# Altium PCB tinyCamera.PcbDoc (part 1 of 2) (continued)
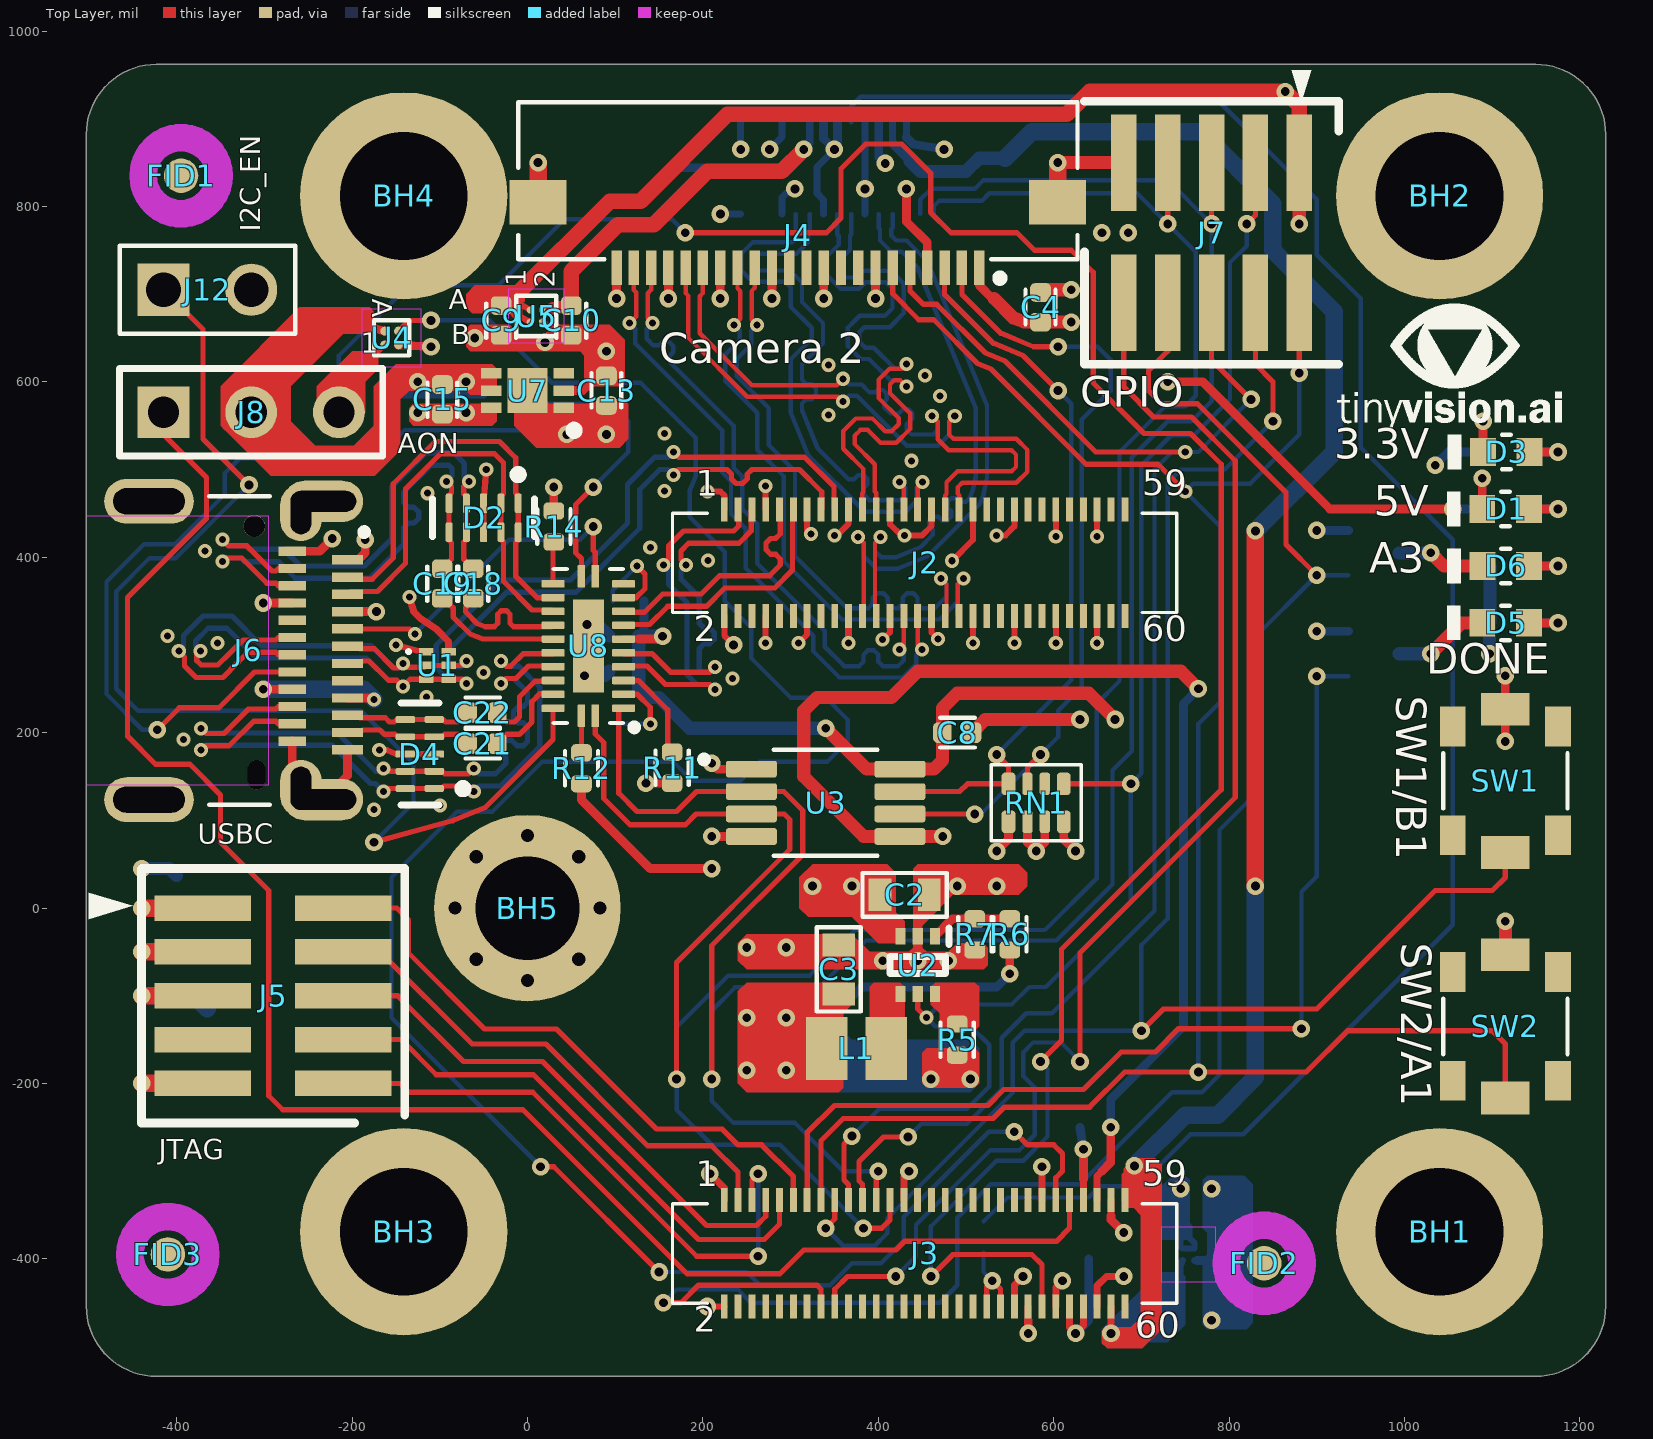
[diagram p0: Top Layer view]
## Components (designator, comment, footprint, x,y, rotation, side; value= is the part's Value field where it differs from the comment)
BH1 "STANDOFF M2.5" MH_Standoff_WE9774010151R 1040,-369 r0 top
BH2 "STANDOFF M2.5" MH_Standoff_WE9774010151R 1040,812.02 r0 top
BH3 "STANDOFF M2.5" MH_Standoff_WE9774010151R -141.11,-369 r0 top
BH4 "STANDOFF M2.5" MH_Standoff_WE9774010151R -141.11,812.02 r0 top
BH5 "STANDOFF M2.5" MH_3MM 0,0 r0 top
C1 "0.1uF" CAPC1005X55USR -400,20 r270 bottom
C2 "10uF" CAP_0603 430,15 r180 top
C3 "47uF" CAP_0603 355,-70 r270 top
C4 "0.1uF" CAPC1005X55USR 585,685 r270 top
C5 "4.7uF" CAPC1005X55USR 760,-350 r180 bottom
C6 "4.7uF" CAPC1005X55USR 760,-440 r180 bottom
C7 "4.7uF" CAPC1005X55USR 110,270 r0 bottom
C8 "0.1uF" CAPC1005X55USR 490,200 r180 top
C9 "4.7uF" CAPC1005X55USR -30,670 r90 top
C10 "4.7uF" CAPC1005X55USR 50,670 r90 top
C13 "1uF" CAPC1005X55USR 90,590 r270 top
C15 "1uF" CAPC1005X55USR -97,580 r90 top
C17 "0.1uF" CAPC1005X55USR 110,310 r0 bottom
C18 "0.1uF" CAPC1005X55USR -61.75,370 r90 top
C19 "0.1uF" CAPC1005X55USR -97.29,370 r90 top
C21 "0.1uF" CAPC1005X55USR -51.44,187.34 r180 top
C22 "0.1uF" CAPC1005X55USR -51.44,222.88 r180 top
D1 "LTST-C191KGKT" LED_0603 1115.22,455.01 r0 top
D2 "PUSB3F96X" DFN2510A-10 -50,445 r270 top
D3 "LTST-C191KGKT" LED_0603 1116.16,520.01 r0 top
D4 "PUSB3F96X" DFN2510A-10 -122.75,175.58 r180 top
D5 "LTST-C191KGKT" LED_0603 1115.22,325.17 r0 top
D6 "LTST-C191KGKT" LED_0603 1115.53,390.01 r0 top
FID1 "" FID_040 -395,835 r0 top
FID2 "" FID_040 840,-405 r90 top
FID3 "" FID_040 -410,-395 r90 top
FID4 "" FID_040 1080,-155 r90 bottom
FID5 "" FID_040 -395,835 r90 bottom
FID6 "" FID_040 -428,-389 r90 bottom
J1 "DF37NC-30DS-0.4V(51)" HRS_DF37NC-30DS-0.4V(51) 353.34,843.52 r0 bottom locked
J2 "DF40C-60DS-0.4V(51)" DF40C60DS04V51 452.76,393.7 r0 top locked
J3 "DF40C-60DS-0.4V(51)" DF40C60DS04V51 452.76,-393.7 r0 top locked
J4 "0545482271" MOLEX_54548-2271 308.31,730 r180 top locked
J5 "FTSH-105-01-L-DV-K-TR" FTSH-105-01-XXX-DV-K -290,-100 r270 top locked
J6 "CX90B1-24P" HRS_CX90B1-24P -431.59,293.7 r270 top locked
J7 "FTSH-105-01-L-DV-K-TR" FTSH-105-01-XXX-DV-K 780,770 r180 top locked
J8 "AON" HDR1X3 -415,565.32 r0 top locked
J12 "Header 2X1_2.54MM" HDR2X1_MALE_2.54MM -365,705 r0 top locked
L1 "1uH" INDC2016X100N 375,-160 r180 top
Logo1 "WEEE" WEEE_Minimum 810,225 r180 bottom
Logo2 "ESD Susceptible" ESD_Overlay_Medium 810,-80 r180 bottom
Q1 "RU1J002YNTCL" SOT-323FL 965,290 r0 bottom
Q2 "RU1J002YNTCL" SOT-323FL 965,405 r0 bottom
R1 "1K" RESC1005X40USR 1114.68,455 r0 bottom
R2 "1K" RESC1005X40USR 1115,390 r0 bottom
R3 "1K" RESC1005X40USR 1115.64,520 r0 bottom
R4 "22" RESC1005X40USR 519.99,-375 r90 bottom
R5 "0" RESC1005X40USR 490,-149.99 r90 top
R6 "200K" RESC1005X40USR 550,-30.01 r270 top
R7 "44.2K" RESC1005X40USR 510,-29.99 r90 top
R11 "10K" RESC1005X40USR 165.01,160 r90 top
R12 "910K" RESC1005X40USR 61.51,159.32 r270 top
R13 "10K" RESC1005X40USR 115,349.99 r180 bottom
R14 "10K" RESC1005X40USR 30.01,435.01 r90 top
R18 "1K" RESC1005X40USR 1114.7,325.16 r0 bottom
RN1 "10K" RESCAXS50P100X200X45-8NA 579.99,119.99 r270 top
SW1 "PTS820 J25K SMTR LFS" PTS820J25MSMTRLFS 1115,145 r90 top
SW2 "PTS820 J25K SMTR LFS" PTS820J25MSMTRLFS 1115,-135 r90 top
T1 "3V3" "TP 1mm" 330,-165 r0 bottom
T3 "TP_S" "TP 20mil" 455,490 r0 bottom
T4 "TP_S" "TP 20mil" 110,667.52 r90 bottom
T5 "TP_S" "TP 20mil" 420,490 r0 bottom
T6 "TP_S" "TP 20mil" 630,-250 r0 bottom
T7 "TP_S" "TP 20mil" 640,-400 r0 bottom
T8 "TP_S" "TP 20mil" 150,667.52 r0 bottom
T9 "TP_S" "TP 20mil" 436,591 r0 bottom
T10 "TP_S" "TP 20mil" 436,624 r90 bottom
T11 "TP_S" "TP 20mil" 363,574 r90 bottom
T12 "TP_S" "TP 20mil" 405,430 r90 bottom
T13 "TP_S" "TP 20mil" 363,607 r90 bottom
T14 "TP_S" "TP 20mil" 375,430 r90 bottom
T15 "TP_S" "TP 20mil" 230,667.52 r90 bottom
T16 "TP_S" "TP 20mil" 545,855 r90 bottom
T17 "TP_S" "TP 20mil" 270,667.52 r90 bottom
T18 "TP_S" "TP 20mil" 165,840 r90 bottom
T28 "TP_S" "TP 20mil" 750,475 r90 bottom
T30 "TP_S" "TP 20mil" 750,520 r90 bottom
T32 "TP_S" "TP 1mm" 610,590 r90 bottom
T34 "TP_S" "TP 1mm" 665,590 r90 bottom
T35 "TP_S" "TP 20mil" 110,210 r90 bottom
TP1 "5019" TP380X203 -365,-115 r90 bottom
U1 "ESDR0502NMUTAG" ONSC-UDFN-6-517AA-01_V -102.74,276.66 r0 top
U2 "AP61100QZ6-7" SOTFL50P160X60-6N 445,-65 r270 top
U3 "TCA9509DGKR" SOP65P490X110-8N 340,120 r0 top
U4 "TCK106AG,LF" WCSP4D -155.01,650.01 r90 top
U5 "NCP110AFCT280T2G" WLCSP4_P6XP6_ONS 10,675 r0 top
U6 "NCP110AFCT120T2G" WLCSP4_P6XP6_ONS 753.64,-395 r270 bottom
U7 "NCP349MNAETBG" SON50P200X160X100-7N-D 0,590 r180 top
U8 "PI5USB30213AXEAEX" QFN40P400X200X50-25N 69.38,298.82 r180 top

## Footprints (in the part's own frame and the unit in brackets; to place one, negate y for a bottom-side part, rotate by r counter-clockwise, add the part's x,y. Pads: shape width x height; smd on the part's side, far side on the other; paste and mask are expansions set on the pad)
CAP_0603 [mil]
  rect 26x37 smd mask+1.97: 1(-28,0) 2(28,0)
  silkscreen extent -48,-25 48,25, body extent -34,-19 34,19, height 35
CAPC1005X55USR [mm] "Capacitor, Chip; 1.00 mm L X 0.50 mm W X 0.55 mm H body"
  rrect52% 0.54x0.6 smd mask+0.051: 1(-0.43,0) 2(0.43,0)
  silkscreen extent -0.51,-0.43 0.49,0.43, body extent -0.5,-0.25 0.5,0.25, height 0.55
DF40C60DS04V51 [mm]
  rect 0.2x0.7 smd mask+0.051: 1(-5.8,1.54) 2(-5.8,-1.54) 3(-5.4,1.54) 4(-5.4,-1.54) 5(-5,1.54) 6(-5,-1.54) 7(-4.6,1.54) 8(-4.6,-1.54) 9(-4.2,1.54) 10(-4.2,-1.54) 11(-3.8,1.54) 12(-3.8,-1.54) 13(-3.4,1.54) 14(-3.4,-1.54) 15(-3,1.54) 16(-3,-1.54) 17(-2.6,1.54) 18(-2.6,-1.54) 19(-2.2,1.54) 20(-2.2,-1.54) 21(-1.8,1.54) 22(-1.8,-1.54) 23(-1.4,1.54) 24(-1.4,-1.54) 25(-1,1.54) 26(-1,-1.54) 27(-0.6,1.54) 28(-0.6,-1.54) 29(-0.2,1.54) 30(-0.2,-1.54) 31(0.2,1.54) 32(0.2,-1.54) 33(0.6,1.54) 34(0.6,-1.54) 35(1,1.54) 36(1,-1.54) 37(1.4,1.54) 38(1.4,-1.54) 39(1.8,1.54) 40(1.8,-1.54) 41(2.2,1.54) 42(2.2,-1.54) 43(2.6,1.54) 44(2.6,-1.54) 45(3,1.54) 46(3,-1.54) 47(3.4,1.54) 48(3.4,-1.54) 49(3.8,1.54) 50(3.8,-1.54) 51(4.2,1.54) 52(4.2,-1.54) 53(4.6,1.54) 54(4.6,-1.54) 55(5,1.54) 56(5,-1.54) 57(5.4,1.54) 58(5.4,-1.54) 59(5.8,1.54) 60(5.8,-1.54)
  silkscreen extent -7.3,-1.44 7.3,1.44, body extent -7.3,-1.69 7.3,1.69, height 1.96
DFN2510A-10 [mm]
  rrect50% 0.565x0.2 smd mask+0.05: 1(-0.417,1) 2(-0.417,0.5) 4(-0.417,-0.5) 5(-0.417,-1) 6(0.417,-1) 7(0.417,-0.5) 9(0.417,0.5) 10(0.417,1)
  rrect25% 0.565x0.2 smd mask+0.05: 3(-0.417,0) 8(0.417,0)
  silkscreen extent -1.37,-1.48 0.55,1.48, body extent -0.5,-1.25 0.5,1.25, height 0.55
ESD_Overlay_Medium [mil]
  silkscreen extent -127,-109 125,110
FID_040 [mm]
  round 1 smd paste-1.5 mask+1: 1(0,0)
  Top Layer keep-out circle w0.8: c0,0 r1.1
FTSH-105-01-XXX-DV-K [mil]
  rect 29x110 smd mask+2: 1(-100,-80) 2(-100,80) 3(-50,-80) 4(-50,80) 5(0,-80) 6(0,80) 7(50,-80) 8(50,80) 9(100,-80) 10(100,80)
  silkscreen extent -145,-210 145,150, body extent -125,-115 125,115, height 241
HDR1X3 [mm] "Connector; Header; 3 Position"
  rect 1.5x1.5 hole 0.9: 1(0,0)
  round 1.5 hole 0.9: 2(2.54,0) 3(5.08,0)
  silkscreen extent -1.27,-1.27 6.35,1.27
HDR2X1_MALE_2.54MM [mm]
  rect 1.508x1.508 hole 1: 1(-1.27,0)
  round 1.508 hole 1: 2(1.27,0)
  silkscreen extent -2.54,-1.27 2.54,1.27, body extent -2.54,-1.37 2.54,1.17, height 8.38
HRS_CX90B1-24P [mm]
  rect 0.27x0.9 smd mask+0.05: A1(-2.625,5.75) A2(-2.125,5.75) A3(-1.625,5.75) A4(-1.125,5.75) A5(-0.625,5.75) A6(-0.125,5.75) A7(0.375,5.75) A8(0.875,5.75) A9(1.375,5.75) A10(1.875,5.75) A11(2.375,5.75) A12(2.875,5.75)
  rect 0.27x0.8 smd mask+0.05: B1(2.625,4.15) B2(2.125,4.15) B3(1.625,4.15) B4(1.125,4.15) B5(0.625,4.15) B6(0.125,4.15) B7(-0.375,4.15) B8(-0.875,4.15) B9(-1.375,4.15) B10(-1.875,4.15) B11(-2.375,4.15) B12(-2.875,4.15)
  oval 1.2x2.3 hole 0.6 slot 1.9 at 90 deg mask+0: Shell(-4.32,5.05) Shell(4.32,5.05)
  oval 1.3x2.6 hole 0.75 slot 2.075 at 90 deg: Shell(-4.32,0) Shell(4.32,0)
  oval 1.65x1.2 hole 0.6 slot 1.25 at 0 deg mask+0: Shell(-3.995,4.4) Shell(3.995,4.4)
  round 0.63 hole 0.63 unplated: ""(-3.6,3.05)
  oval 0.85x0.5 hole 0.5 slot 0.85 at 0 deg unplated: ""(3.6,3.115)
  Top Layer keep-out region: 3.9,-1.8 -3.9,-1.8 -3.9,3.45 3.9,3.45
  silkscreen extent -4.47,1.75 4.47,6.33, body extent -4.47,-2.3 4.47,5.85, height 3.14
HRS_DF37NC-30DS-0.4V(51) [mm]
  rect 0.23x0.63 smd paste+0 mask+0.05: 1(2.8,-1.325) 2(2.4,-1.325) 3(2,-1.325) 4(1.6,-1.325) 5(1.2,-1.325) 6(0.8,-1.325) 7(0.4,-1.325) 8(0,-1.325) 9(-0.4,-1.325) 10(-0.8,-1.325) 11(-1.2,-1.325) 12(-1.6,-1.325) 13(-2,-1.325) 14(-2.4,-1.325) 15(-2.8,-1.325) 16(-2.8,1.325) 17(-2.4,1.325) 18(-2,1.325) 19(-1.6,1.325) 20(-1.2,1.325) 21(-0.8,1.325) 22(-0.4,1.325) 23(0,1.325) 24(0.4,1.325) 25(0.8,1.325) 26(1.2,1.325) 27(1.6,1.325) 28(2,1.325) 29(2.4,1.325) 30(2.8,1.325)
  silkscreen extent -4.11,-2.15 4.11,1.16, body extent -4.11,-1.49 4.11,1.49, height 0.97
INDC2016X100N [mm]
  rect 1.2x1.82 smd: 1(-0.86,0) 2(0.86,0)
  body extent -1,-0.8 1,0.8, height 1
LED_0603 [mm]
  rect 0.75x0.8 smd: 1(0.675,0) 2(-0.675,0)
  silkscreen extent -1.7,-0.5 0.13,0.5, body extent -0.81,-0.4 0.81,0.4, height 0.63
MH_3MM [mm]
  round 5.4 hole 3: 1(0,0)
MH_Standoff_WE9774010151R [mm]
  round 6 / inner round 0 / far side round 0 hole 3.7: 1(0,0)
  body extent -2.55,-2.55 2.55,2.55, height 1.05
MOLEX_54548-2271 [mm]
  rect 0.3x1 smd mask+0.05: 1(-5.25,0) 2(-4.75,0) 3(-4.25,0) 4(-3.75,0) 5(-3.25,0) 6(-2.75,0) 7(-2.25,0) 8(-1.75,0) 9(-1.25,0) 10(-0.75,0) 11(-0.25,0) 12(0.25,0) 13(0.75,0) 14(1.25,0) 15(1.75,0) 16(2.25,0) 17(2.75,0) 18(3.25,0) 19(3.75,0) 20(4.25,0) 21(4.75,0) 22(5.25,0)
  rect 1.65x1.3 smd: SH1(-7.525,-1.9) SH2(7.525,-1.9)
  silkscreen extent -8.1,-4.8 8.1,0.37, body extent -8.1,-4.8 8.1,0.2, height 1.18
ONSC-UDFN-6-517AA-01_V [mm]
  rect 0.42x0.22 smd mask+0.051: 1(-0.325,0.4) 2(-0.325,0) 3(-0.325,-0.4) 4(0.325,-0.4) 5(0.325,0) 6(0.325,0.4)
  silkscreen extent -0.88,0.35 -0.78,0.45, body extent -0.5,-0.6 0.5,0.6, height 0.55
PTS820J25MSMTRLFS [mm]
  rect 0.95x1.4 smd: 1(-2.075,0) 2(2.075,0)
  rect 1.15x0.75 smd: G1(-1.575,-1.525) G2(1.575,-1.525) G3(1.575,1.525) G4(-1.575,1.525)
  silkscreen extent -0.8,-1.8 0.8,1.8, body extent -2.25,-1.45 2.25,1.45, height 2.05
QFN40P400X200X50-25N [mm]
  rrect25% 0.66x0.22 smd mask+0.051: 1(-1.02,1.8) 2(-1.02,1.4) 3(-1.02,1) 4(-1.02,0.6) 5(-1.02,0.2) 6(-1.02,-0.2) 7(-1.02,-0.6) 8(-1.02,-1) 9(-1.02,-1.4) 10(-1.02,-1.8) 13(1.02,-1.8) 14(1.02,-1.4) 15(1.02,-1) 16(1.02,-0.6) 17(1.02,-0.2) 18(1.02,0.2) 19(1.02,0.6) 20(1.02,1) 21(1.02,1.4) 22(1.02,1.8)
  rrect25% 0.22x0.66 smd mask+0.051: 11(-0.2,-2.02) 12(0.2,-2.02) 23(0.2,2.02) 24(-0.2,2.02)
  rect 0.9x2.7 smd paste-2 mask+0.051: 25(0,0)
  silkscreen extent -1.43,-2.23 1,2.46, body extent -1,-2 1,2, height 0.5
RESC1005X40USR [mm] "Resistor, Chip; 1.00 mm L X 0.50 mm W X 0.40 mm H body"
  rrect52% 0.5x0.6 smd mask+0.051: 1(-0.45,0) 2(0.45,0)
  silkscreen extent -0.5,-0.48 0.5,0.48, body extent -0.5,-0.25 0.5,0.25, height 0.4
RESCAXS50P100X200X45-8NA [mm] "2 Side, Convex"
  rrect50% 0.65x0.4 smd mask+0.051: 1(-0.55,0.8) 4(-0.55,-0.8) 5(0.55,-0.8) 8(0.55,0.8)
  rrect50% 0.65x0.3 smd mask+0.051: 2(-0.55,0.25) 3(-0.55,-0.25) 6(0.55,-0.25) 7(0.55,0.25)
  silkscreen extent -1.1,-1.3 1.1,1.3, body extent -0.65,-1.15 0.65,1.15, height 0.45
SON50P200X160X100-7N-D [mm]
  rect 0.6x0.3 smd mask+0.051: 1(-1.05,0.5) 2(-1.05,0) 3(-1.05,-0.5) 4(1.05,-0.5) 5(1.05,0) 6(1.05,0.5)
  rect 1.15x1.3 smd mask+0.051: 7(0,0)
  silkscreen extent -1.48,1.03 -1.23,1.27, body extent -1.05,-0.8 1.05,0.8, height 1
SOP65P490X110-8N [mm]
  rrect25% 1.47x0.48 smd mask+0.051: 1(-2.15,0.975) 2(-2.15,0.325) 3(-2.15,-0.325) 4(-2.15,-0.975) 5(2.15,-0.975) 6(2.15,-0.325) 7(2.15,0.325) 8(2.15,0.975)
  silkscreen extent -3.62,-1.54 1.5,1.54, body extent -2.45,-1.5 2.45,1.5, height 1.1
SOT-323FL [mm]
  rect 0.83x0.52 smd paste+0 mask+0.05: 1(-0.735,0.65) 2(-0.735,-0.65) 3(0.735,0)
  silkscreen extent -0.67,-1.05 0.67,1.05, body extent -1.05,-1 1.05,1, height 1.06
SOTFL50P160X60-6N [mm]
  rect 0.475x0.3 smd: 1(-0.838,0.5) 2(-0.838,0) 3(-0.838,-0.5) 4(0.838,-0.5) 5(0.838,0) 6(0.838,0.5)
  silkscreen extent -1.07,-0.8 0.25,0.9, body extent -0.8,-0.8 0.8,0.8, height 0.6
TP380X203 [mil]
  rect 150x80 smd: 1(0,0)
  body extent -75,-40 75,40, height 90
"TP 1mm" [mm] "1 mm Probe Pad"
  round 1 smd: 1(0,0)
"TP 20mil" [mil] "1 mm Probe Pad"
  round 20 smd mask+2: 1(0,0)
WCSP4D [mil]
  round 10 smd paste+0 mask+0: A1(-7.87,7.87) A2(7.87,7.87) B1(-7.87,-7.87) B2(7.87,-7.87)
  Keep-Out Layer region: -33.25,-33.25 -33.25,33.25 33.25,33.25 33.25,-33.25
  silkscreen extent -20,-20 20,20, body extent -16,-16 16,16, height 22
WEEE_Minimum [mil]
  silkscreen extent -95,-172 99,104
WLCSP4_P6XP6_ONS [mil]
  round 8 smd paste+0 mask+0: A1(-6.89,6.89) A2(6.89,6.89) B1(-6.89,-6.89) B2(6.89,-6.89)
  Keep-Out Layer region: -31.28,-31.28 -31.28,31.28 31.28,31.28 31.28,-31.28
  silkscreen extent -23,-23 23,23, body extent -13,-13 13,13, height 13

## Part data
BH1 BH2 BH3 BH4: library part MOUNT_HOLE, "RND STANDOFF M2.5X0.45 STEEL 1MM", Manufacturer="Wurth Electronics", Manufacturer Part Number=9774010151R, Supplier Part Number 1=732-7064-1-ND, Category="Spacers, Standoffs", ComponentLink1Description=http://www.farnell.com/datasheets/2305577.pdf?src-supplier=Farnell, ComponentLink1URL=http://www.farnell.com/datasheets/2305577.pdf?src-supplier=Farnell, ComponentLink2Description=https://media.digikey.com/pdf/Data%20Sheets/Wurth%20Electronics%20PDFs/WA-SMSx_Performance_Flyer.pdf?src-supplier=Digi-Key, ComponentLink2URL=https://media.digikey.com/pdf/Data%20Sheets/Wurth%20Electronics%20PDFs/WA-SMSx_Performance_Flyer.pdf?src-supplier=Digi-Key, ComponentLink3Description=http://www.mouser.com/ds/2/445/9774010151R-611442.pdf?src-supplier=Mouser, ComponentLink3URL=http://www.mouser.com/ds/2/445/9774010151R-611442.pdf?src-supplier=Mouser, ComponentLink4Description=http://www.farnell.com/datasheets/2305577.pdf?src-supplier=Newark, ComponentLink4URL=http://www.farnell.com/datasheets/2305577.pdf?src-supplier=Newark, ComponentLink5Description=http://www.farnell.com/datasheets/2305577.pdf?src-supplier=Element14, ComponentLink5URL=http://www.farnell.com/datasheets/2305577.pdf?src-supplier=Element14, Length=0.095inch, Material=Steel, Outside Diameter=0.201inch, Plating=Tin, Pricing="1=1.16000, 10=1.09800, 50=0.97900, 100=0.89500, 500=0.83500 (USD)", RoHS=Yes, Series=WA-SMSI, Stock=9107, Supplier 1=Digi-Key, Threaded/Unthreaded=Threaded
BH5: library part MOUNT_HOLE, "ROUND STANDOFF M2X0.4 STEEL 1MM"
C1 C4 C8 C17 C18 C19 C21 C22: library part "CAP CER 0.1UF 16V X7R 0402", "CAP CER 0.1UF 16V X7R 0402", Manufacturer="TDK Corporation", Manufacturer Part Number=CGA2B1X7R1C104K050BC, Package=0402, Supplier Part Number 1=445-5613-2-ND, Height=0.55mm, Supplier 1=Digi-Key
C2: library part Cap_1uF_X5R_10%_6V3_0402, "CAP CER 10uF 10V X5R 0603", Manufacturer="Murata Electronics", Manufacturer Part Number=GRM188R61A106ME69D, Package=0603, Supplier Part Number 1=490-10475-1-ND, Voltage=10V, ComponentLink1Description="New link", Height=0.95mm, Supplier 1=Digi-Key
C3: library part Cap_1uF_X5R_10%_6V3_0402, "CAP CER 47UF 6.3V X5R 0603", Manufacturer="Murata Electronics", Manufacturer Part Number=GRM188R60J476ME15D, Package=0603, Supplier Part Number 1=490-13247-1-ND, Voltage=6.3V, ComponentLink1Description="New link", Height=1.0mm, Supplier 1=Digi-Key
C5 C6 C7 C9 C10: library part "CAP CER 4.7UF 10V X5R 0402", "CAP CER 4.7UF 10V X5R 0402", Manufacturer="TDK Corporation", Manufacturer Part Number=C1005X5R1A475M050BC, Package=0402, Supplier Part Number 1=445-8023-1-ND, ComponentLink1Description="New link", Height=0.55mm, Supplier 1=Digi-Key
C13 C15: library part "CAP CER 1UF 25V X5R 0402", "CAP CER 1UF 25V X5R 0402", Manufacturer="Murata Electronics", Manufacturer Part Number=GRM155R61E105MA12D, Package=0402, Supplier Part Number 1=490-10018-1-ND, ComponentLink1Description="New link", Height=0.55mm, Part #=E-CAP-042, Supplier 1=Digi-Key
D1 D3 D5 D6: library part 0603LED_GRN, "LED GREEN CLEAR CHIP 0603 SMD", Manufacturer="Lite-On Inc.", Manufacturer Part Number=LTST-C191GKT, Supplier Part Number 1=160-1443-1-ND, Supplier 1=Digi-Key, Unit Cost, Qty 1=$0.68, Unit Cost, Qty 500=$0.293
D2 D4: "TVS DIODE 5.5VWM 4.6VC DFN2510A", Manufacturer="Nexperia USA Inc.", Supplier Part Number 1=1727-2030-1-ND, Interface=USB, Manufacturer Part Number=PUSB3F96X, Supplier 1=Digi-Key
FID1 FID2 FID3 FID4 FID5 FID6: library part FID, Notes=DNP
J1: "Conn Stacking RCP 30 POS 0.98mm Stack Height 0.4mm Solder ST SMD Emboss T/R", Current Rating=300mA, Insulation Resistance=50MR, Manufacturer=Hirose, Max Operating Temperature=85°C, Min Operating Temperature=-35°C, Package Quantity=8000, Supplier Part Number 1=H11856CT-ND, Voltage Rating=30V, Category=Connectors, ComponentLink1Description=http://www.mouser.com/ds/2/185/DF37_catalog-939311.pdf?src-supplier=Mouser, ComponentLink1URL=http://www.mouser.com/ds/2/185/DF37_catalog-939311.pdf?src-supplier=Mouser, ComponentLink2Description=https://www.hirose.com/product/document?clcode=CL0684-3008-1-53&amp;productname=DF37B-20DP-0.4V(53)&amp;series=DF37&amp;documenttype=Catalog&amp;lang=en&amp;documentid=D49052_en&src-supplier=Digi-Key, ComponentLink2URL=https://www.hirose.com/product/document?clcode=CL0684-3008-1-53&amp;productname=DF37B-20DP-0.4V(53)&amp;series=DF37&amp;documenttype=Catalog&amp;lang=en&amp;documentid=D49052_en&src-supplier=Digi-Key, ComponentLink3Description=https://www.hirose.com/product/en/download_file/key_name/DF37NC-30DS-0.4V%2851%29/category/Specification%20Sheet/doc_file_id/46745/?file_category_id=9&item_id=06843313551&is_series=&src-supplier=Digi-Key, ComponentLink3URL=https://www.hirose.com/product/en/download_file/key_name/DF37NC-30DS-0.4V%2851%29/category/Specification%20Sheet/doc_file_id/46745/?file_category_id=9&item_id=06843313551&is_series=&src-supplier=Digi-Key, ComponentLink4Description=https://datasheet.octopart.com/DF37NC-30DS-0.4V%2851%29-Hirose-datasheet-136945248.pdf?src-supplier=LKR, ComponentLink4URL=https://datasheet.octopart.com/DF37NC-30DS-0.4V%2851%29-Hirose-datasheet-136945248.pdf?src-supplier=LKR, Connector Type=Receptacle, Contact Material=Bronze, Contact Plating=Gold, Lead Free="Lead Free", Manufacturer Part Number=DF37NC-30DS-0.4V(51), Mated Stacking Heights=0.98mm, Mounting Technology="Surface Mount", Number of Positions=30, Number of Rows=2, Packaging="Tape and Reel", Pitch=0.4mm, Pricing="1=1.08000, 10=0.91600, 25=0.87800, 50=0.85960, 100=0.82210, 250=0.74740, 500=0.67266, 1000=0.59792, 2500=0.54186 (USD)", RoHS=Yes, RoHS Compliant=Yes, Series=DF37, Stock=2921, Supplier 1=Digi-Key, Termination=SMD/SMT
J2 J3: "CONN RCPT 60POS SMD GOLD", Current Rating=300mA, Manufacturer=Hirose, Package Quantity=5000, Supplier Part Number 1=26-DF40C-60DS-0.4V(51)CT-ND, Voltage Rating=30V, Category="Headers and Wire Housings", ComponentLink1Description=https://datasheet.ciiva.com/46408/1824826-46408909.pdf?src-supplier=Element14, ComponentLink1URL=https://datasheet.ciiva.com/46408/1824826-46408909.pdf?src-supplier=Element14, Connector Type=Receptacle, Contact Material=Bronze, Contact Plating=Gold, Gender=Receptacle, Housing Material=Polymer, Lead Free="Lead Free", Manufacturer Part Number=DF40C-60DS-0.4V(51), Mated Stacking Heights=1.5mm, Mounting Technology="Surface Mount", Number of Contacts=60, Number of Positions=60, Number of Rows=2, Packaging="Tape and Reel", Pitch=0.4mm, Pricing="1=1.29000, 10=1.08900, 25=1.04440, 50=1.02220, 100=0.97770, 250=0.88880, 500=0.79992, 1000=0.71104, 2500=0.64438 (USD)", Reach SVHC Compliant=No, RoHS=Yes, RoHS Compliant=Yes, Series=DF40, Stock=11621, Supplier 1=Digi-Key, Termination=SMD/SMT
J4: library part 54548-2271, "CONN FFC BOTTOM 22POS 0.50MM R/A", Manufacturer=Molex, Package=None, Supplier Part Number 1=WM8828CT-ND, Manufacturer Part Number=0545482271, Supplier 1=Digi-Key
J5 J7: library part HDR2X5_1.27mm, "CONN HEADER SMD 10POS 1.27MM", Color=Black, Current Rating=1.75A, Manufacturer="Samtec Inc.", Max Operating Temperature=125°C, Min Operating Temperature=-55°C, Package Quantity=550, Supplier Part Number 1=SAM13165CT-ND, Category="Headers and Wire Housings", ComponentLink1Description=https://datasheet.ciiva.com/10245/ftsh-mt-10245289.pdf?src-supplier=Avnet, ComponentLink1URL=https://datasheet.ciiva.com/10245/ftsh-mt-10245289.pdf?src-supplier=Avnet, ComponentLink2Description=https://datasheet.ciiva.com/739/ftsh-1xx-xx-xxx-dv-xxx-mkt-739005.pdf?src-supplier=Digi-Key, ComponentLink2URL=https://datasheet.ciiva.com/739/ftsh-1xx-xx-xxx-dv-xxx-mkt-739005.pdf?src-supplier=Digi-Key, ComponentLink3Description=https://datasheet.ciiva.com/23735/81359-23735917.pdf?src-supplier=Newark, ComponentLink3URL=https://datasheet.ciiva.com/23735/81359-23735917.pdf?src-supplier=Newark, Connector Type="Male Pin", Contact Material=Bronze, Contact Mating Length=0.12inch, Contact Plating=Gold, Contact Type="Male Pin", Depth=3.43mm, Gender=Male, Housing Color=Black, Housing Material=Polymer, Lead Free="Lead Free", Length=6.35mm, Manufacturer Part Number=FTSH-105-01-L-DV-K-TR, Max Current Rating=1.75A, Mount="Surface Mount", Number of Contacts=10, Number of Positions=10, Number of Rows=2, Orientation=Straight, Packaging="Tape and Reel", Pitch=1.27mm, Pricing 1="1=4.28000, 10=3.88500, 100=3.42300 (USD)", Radiation Hardening=No, REACH SVHC="No SVHC", RoHS=Yes, RoHS Compliant=Yes, Row Spacing=0.05inch, Series=FTSH, Stock 1=18878, Supplier 1=Digi-Key, Termination=Solder
J6: library part "USB 3.1_HRS_CX90B1-24P", "CONN RCP USB3.1 TYPEC 24P SMD RA", Manufacturer="Hirose Electric Co Ltd", Supplier Part Number 1=H125778CT-ND, ComponentLink1Description=https://www.mouser.com/ds/2/445/632723x00011-782157.pdf?src-supplier=Mouser, ComponentLink1URL=https://www.mouser.com/ds/2/445/632723x00011-782157.pdf?src-supplier=Mouser, ComponentLink2Description=https://katalog.we-online.de/em/datasheet/632723x00011.pdf?src-supplier=Digi-Key, ComponentLink2URL=https://katalog.we-online.de/em/datasheet/632723x00011.pdf?src-supplier=Digi-Key, Manufacturer Part Number=CX90B1-24P, Number of Contacts=24, Supplier 1=Digi-Key
J8: library part "Header 3", "CONN HEADER VERT 3POS 2.54MM", Color=Black, Contact Resistance=20mR, Current Rating=3A, Manufacturer="Wurth Electronics", Manufacturer Part Number=61300311121, Max Operating Temperature=105°C, Min Operating Temperature=-40°C, Operating Supply Voltage=250V, Supplier Part Number 1=732-5316-ND, Category=Connectors, ComponentLink1Description=http://www.farnell.com/cad/1737268.pdf?src-supplier=Element14, ComponentLink1URL=http://www.farnell.com/cad/1737268.pdf?src-supplier=Element14, ComponentLink2Description=https://datasheet.octopart.com/61300311121-W%C3%BCrth-Elektronik-datasheet-21154836.pdf?src-supplier=Element14, ComponentLink2URL=https://datasheet.octopart.com/61300311121-W%C3%BCrth-Elektronik-datasheet-21154836.pdf?src-supplier=Element14, ComponentLink3Description=https://katalog.we-online.de/em/datasheet/6130xx11121.pdf?src-supplier=Digi-Key, ComponentLink3URL=https://katalog.we-online.de/em/datasheet/6130xx11121.pdf?src-supplier=Digi-Key, Contact Material=Copper, Contact Mating Length=0.236inch, Contact Plating=Gold, Contact Type="Male Pin", Gender=Male, Height=8.94mm, Lead Free="Lead Free", Mounting Technology="Through Hole", Number of Contacts=3, Number of Positions=3, Number of Rows=1, Orientation=5495OrientationType, Packaging=Bulk, Pitch=0.1inch, Pricing="1=0.13000, 10=0.11300, 25=0.09400, 50=0.07900, 100=0.07100, 1000=0.06600 (USD)", Reach SVHC Compliant=Unknown, RoHS=Yes, RoHS Compliant=Yes, Series=WR-PHD, Stock=232387, Supplier 1=Digi-Key, Termination=Solder, Voltage Rating=250V
J12: "Conn Header Vert 2POS 2.54MM", Color=Black, Contact Resistance=20mR, Current Rating=3A, Manufacturer="Wurth Electronics", Manufacturer Part Number=61300211121, Max Operating Temperature=125°C, Min Operating Temperature=-40°C, Operating Supply Voltage=250V, Supplier Part Number 1=732-5315-ND, Category="Headers and Wire Housings", ComponentLink1Description=https://datasheet.ciiva.com/13619/6130xx11121-48870-13619345.pdf?src-supplier=Mouser, ComponentLink1URL=https://datasheet.ciiva.com/13619/6130xx11121-48870-13619345.pdf?src-supplier=Mouser, Contact Gender=Male, Contact Material="Copper Alloy,Copper", Contact Mating Length=0.236inch, Contact Plating=Gold, Contact Type="Male Pin", Gender=Male, Height=8.94mm, Housing Material=PBT, Lead Free="Lead Free", Mounting Technology="Through Hole", Number of Contacts=2, Number of Positions=2, Number of Rows=1, Orientation=5495OrientationType, Packaging=Bulk, Pitch=0.1inch, Pricing="1=0.13000, 10=0.11300, 25=0.09400, 50=0.07900, 100=0.07100, 1000=0.06500 (USD)", Reach SVHC Compliant=Unknown, RoHS=Yes, RoHS Compliant=Yes, Series=WR-PHD, Stock=137510, Supplier 1=Digi-Key, Termination="Through Hole", Voltage Rating=250V